# KiCad board q2v2.kicad_pcb
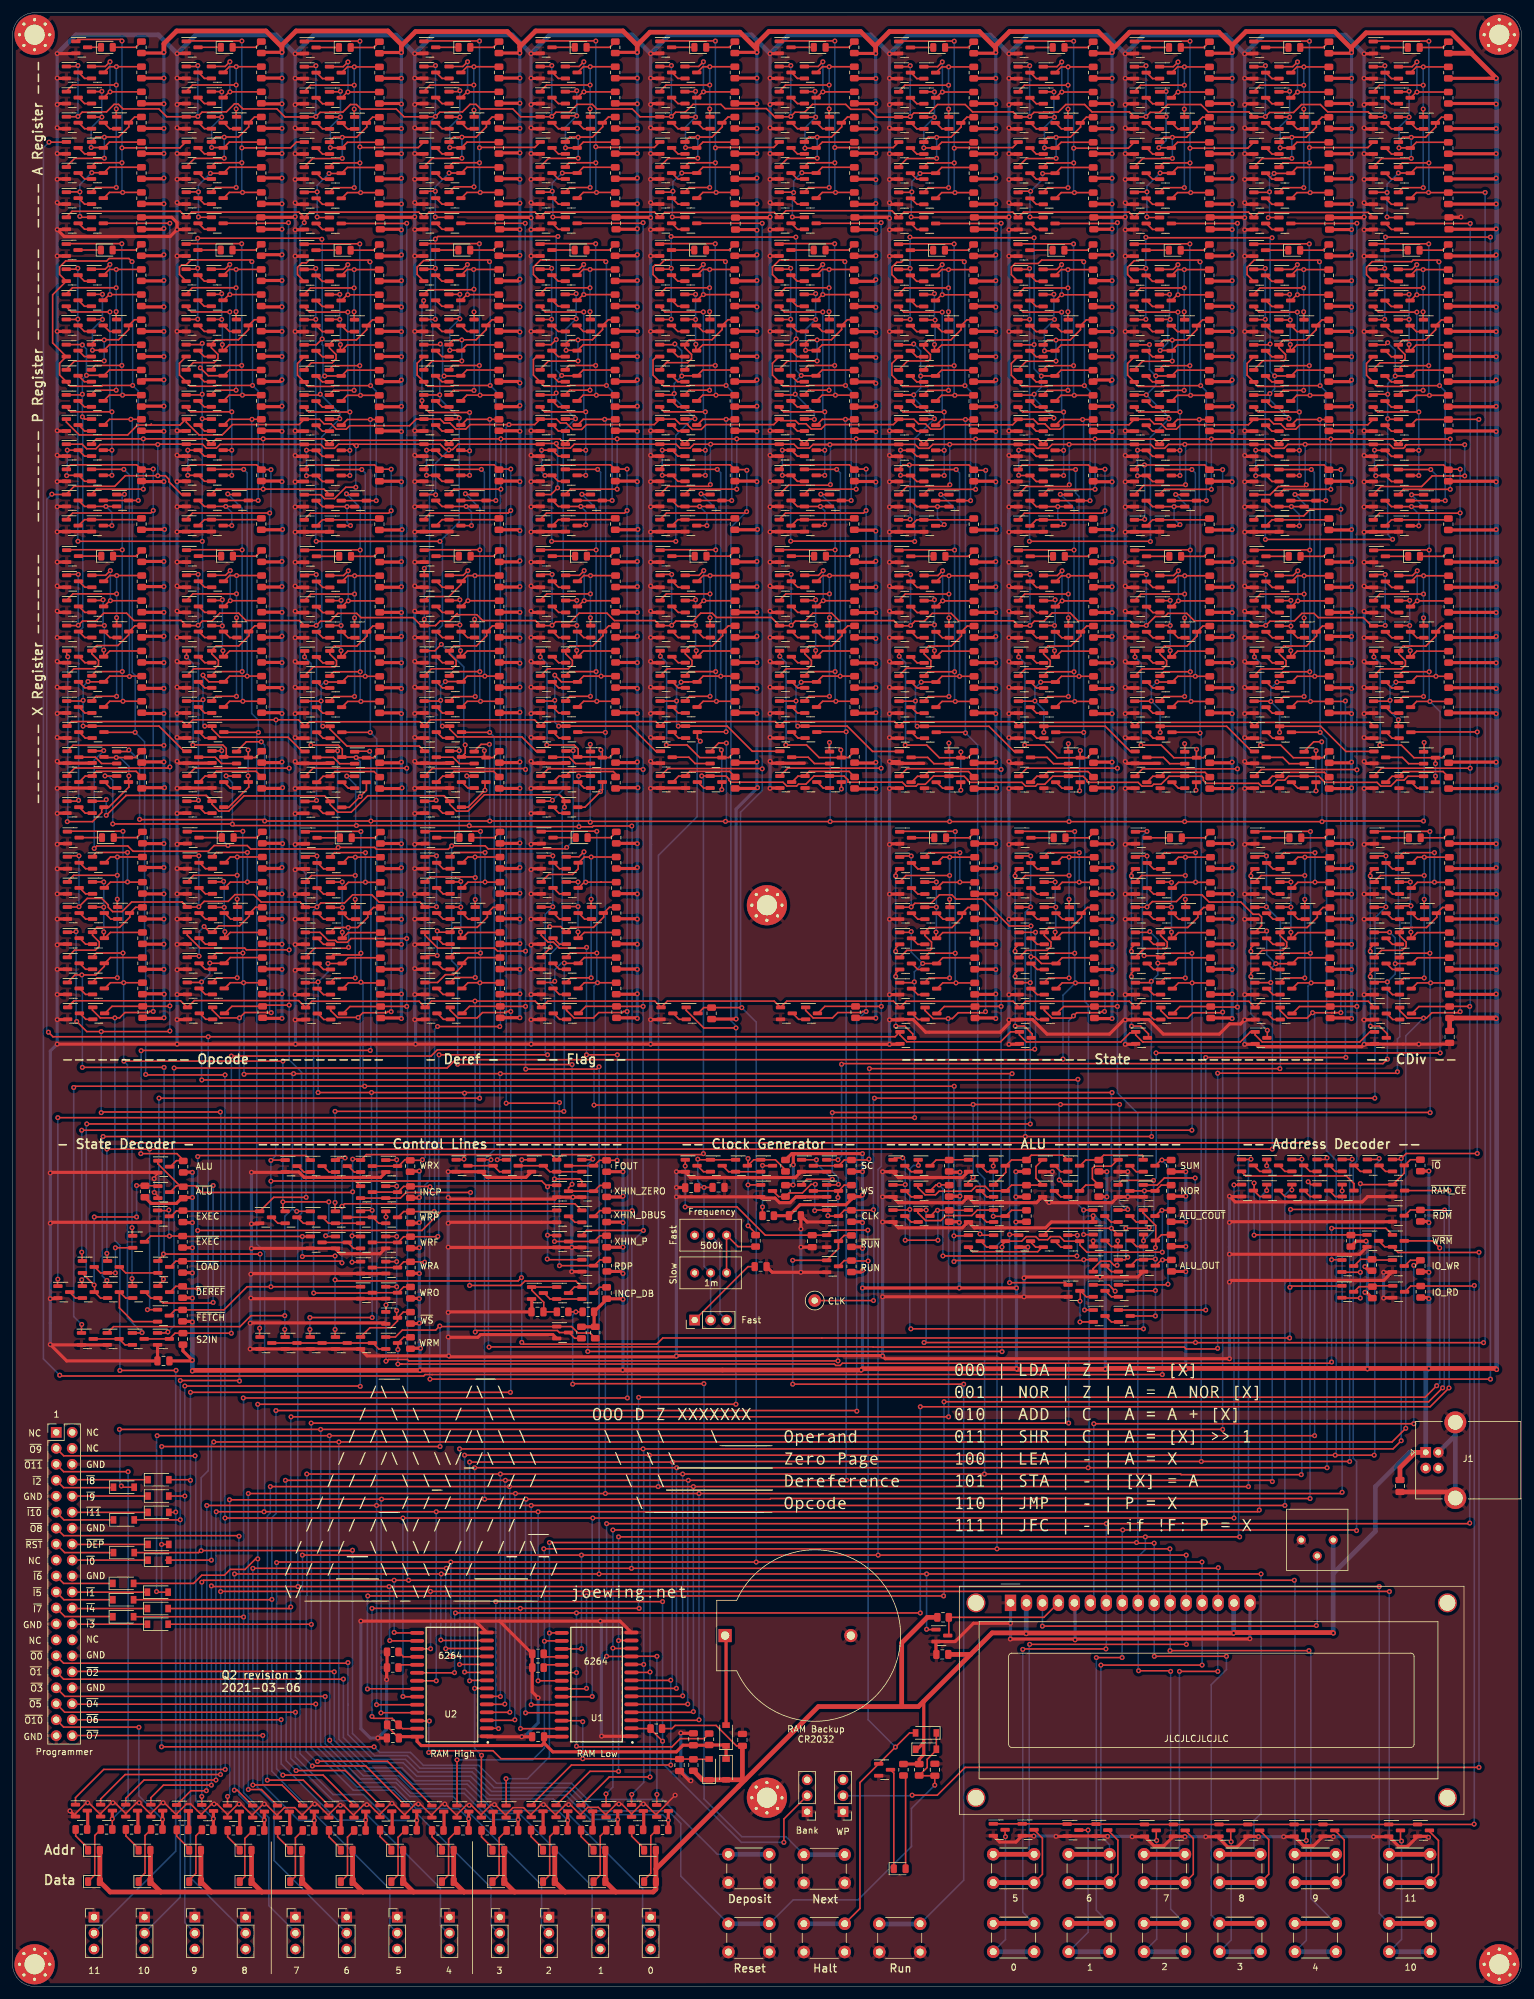
[diagram p0: board, top side]
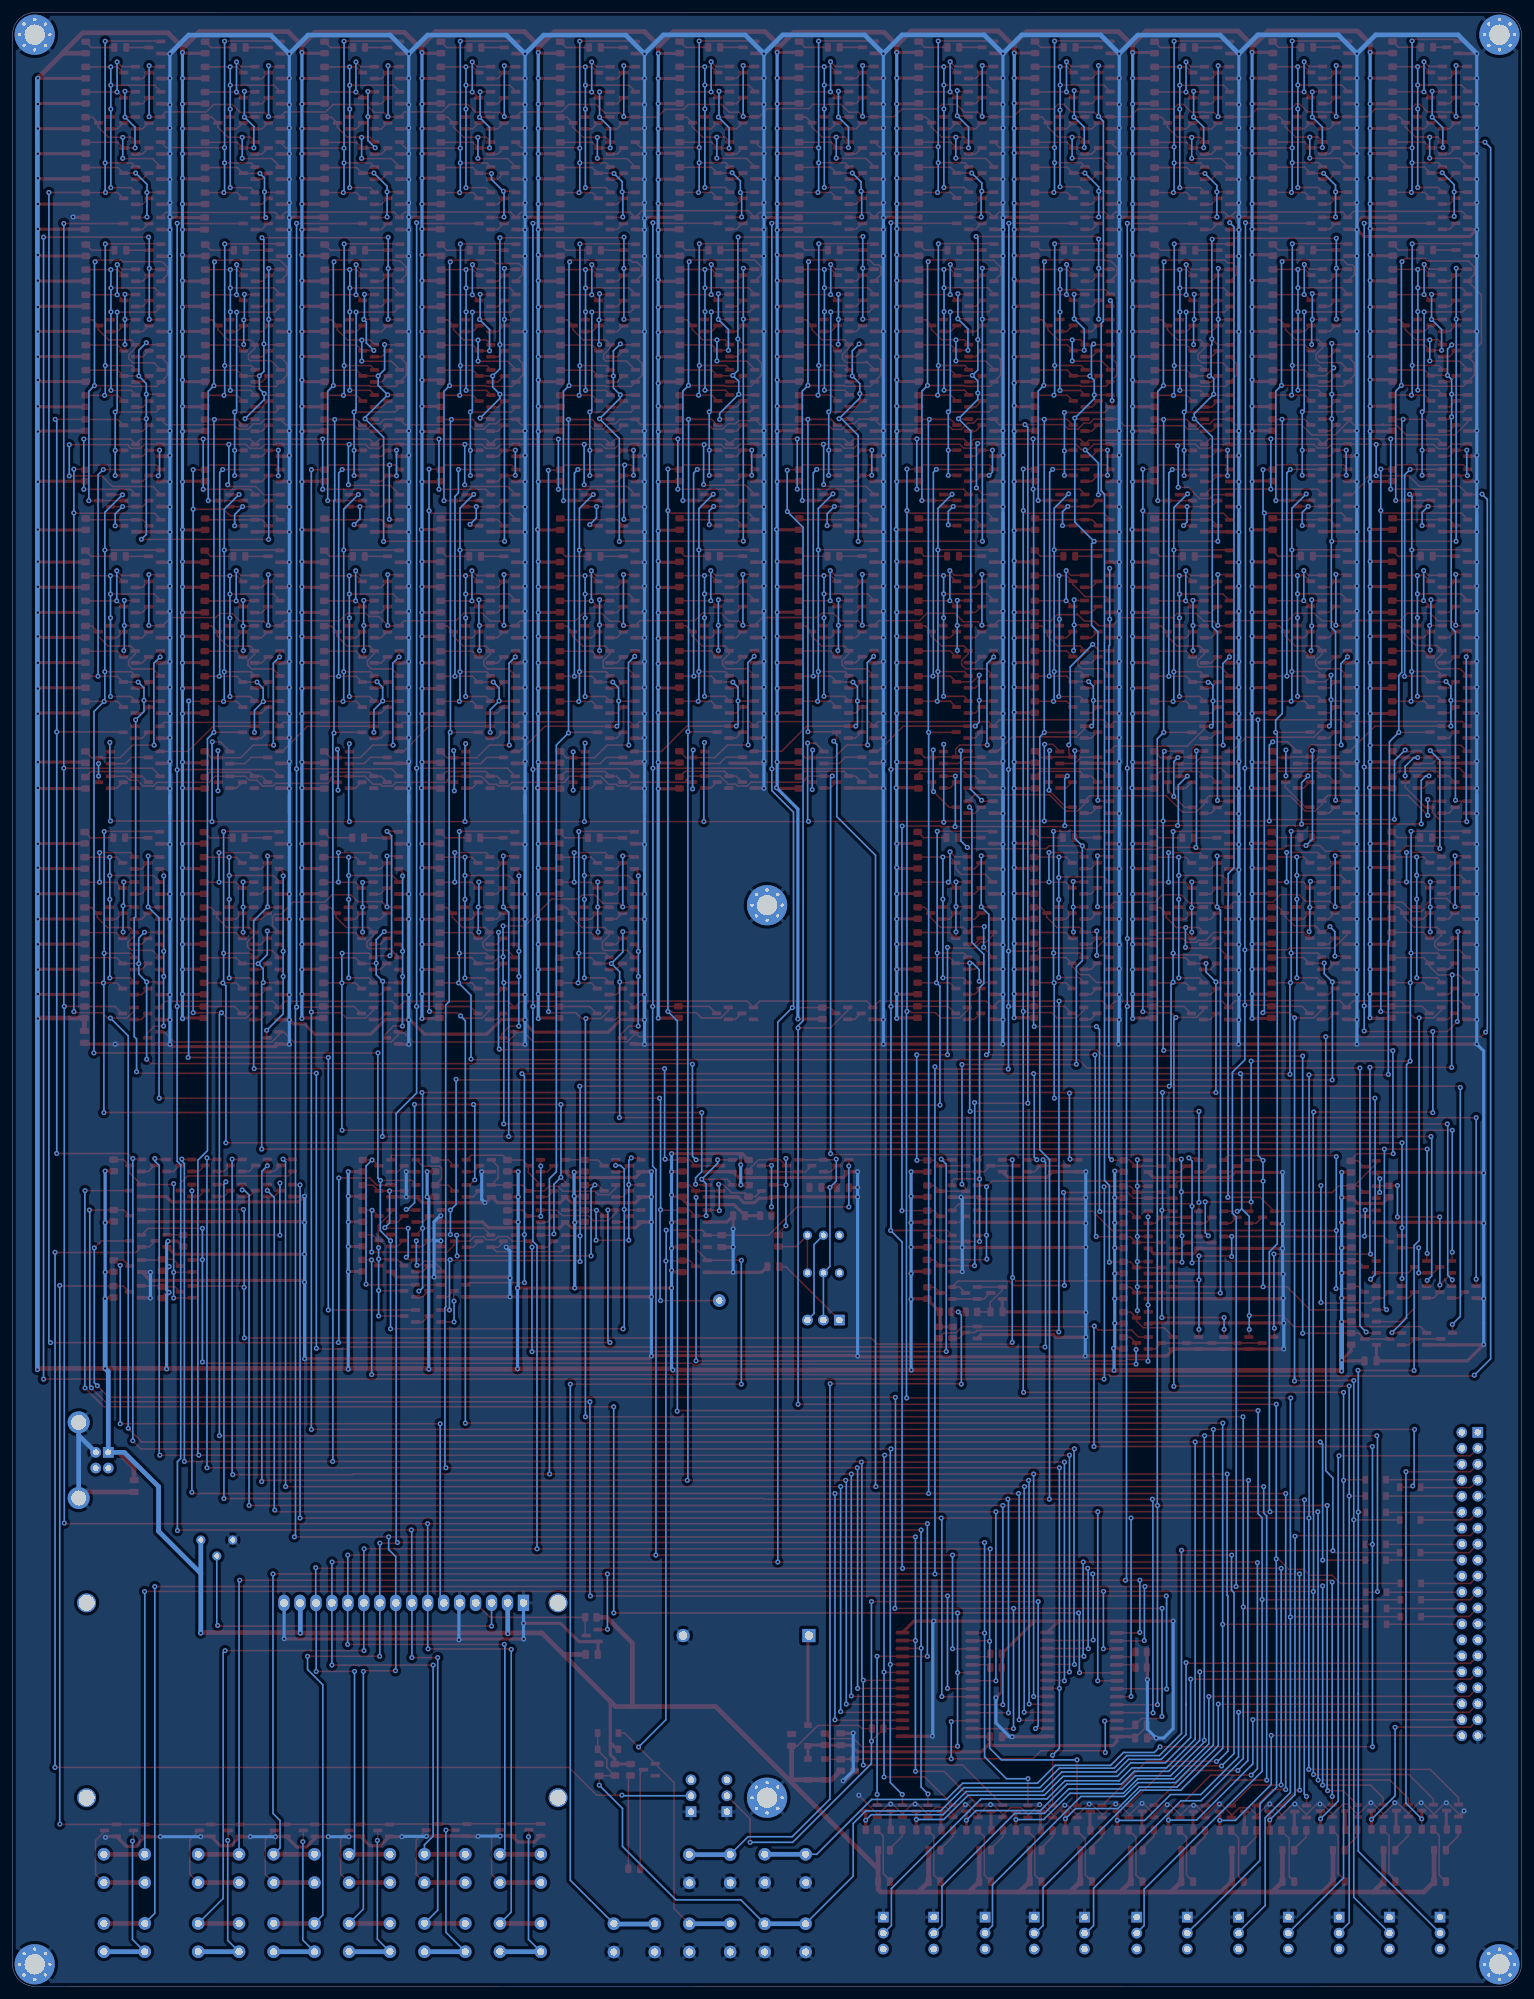
[diagram p1: board, bottom side, seen from below]

Outline 240.03 x 314.05 mm; copper layers: Top, Bottom. Coordinates in mm from the lower left corner of the outline.
Outline path: 0,310.53 0,3.5 arc(1.03,1.03) 3.5,0 236.53,0.03 arc(239,1.05) 240.03,3.53 240.03,310.55 arc(239,313.03) 236.53,314.05 3.5,314.03 arc(1.03,313) 0,310.53
Stack: Top 0.035mm / dielectric 1.51mm FR4 er 4.5 / Bottom 0.035mm

## Placement (name value [footprint] x y rotation side)
BT1  Battery  [BatteryHolder_ComfortableElectronic_CH273-2450_1x2450]  113.35 55.83 0 top
C1  1u  [C_0805_2012Metric]  24 99.53 180 top
C2  1u  [C_0805_2012Metric]  147.9 52.83 180 top
C3  1u  [C_0805_2012Metric]  220.7 79.63 270 top
C4  1u  [C_0805_2012Metric]  228.6 151.08 270 top
C5  1u  [C_0805_2012Metric]  116.1 39.23 90 top
C6  0.1u  [C_0805_2012Metric]  20.5 280.53 90 top
C7  0.1u  [C_0805_2012Metric]  83.5 107.33 0 top
C8  0.1u  [C_0805_2012Metric]  39.5 280.53 90 top
C9  0.1u  [C_0805_2012Metric]  153 280.53 90 top
C10  0.1u  [C_0805_2012Metric]  124.45 122.63 180 top
C11  1u  [C_0805_2012Metric]  119 114.53 180 top
C12  1n  [C_0805_2012Metric]  107.95 127.08 0 top
C13  Extra  [C_0805_2012Metric]  112.3 127.13 180 top
C14  0.1u  [C_0805_2012Metric]  58.5 280.53 90 top
C15  0.1u  [C_0805_2012Metric]  172 280.53 90 top
C16  0.1u  [C_0805_2012Metric]  77.5 280.53 90 top
C17  0.1u  [C_0805_2012Metric]  190.5 280.53 90 top
C18  0.1u  [C_0805_2012Metric]  83.6 39.73 0 top
C19  0.1u  [C_0805_2012Metric]  60.5 39.53 0 top
C20  1u  [C_0805_2012Metric]  108.3 39.33 90 top
C21  0.1u  [C_0805_2012Metric]  106.1 35.23 90 top
C22  0.1u  [C_0805_2012Metric]  96 280.53 90 top
C23  0.1u  [C_0805_2012Metric]  209.5 280.48 90 top
C24  0.1u  [C_0805_2012Metric]  127.2 118.58 90 top
C25  1u  [C_0805_2012Metric]  146.72 34.48 270 top
C26  0.1u  [C_0805_2012Metric]  228.5 280.53 90 top
C27  0.1u  [C_0805_2012Metric]  134 280.53 90 top
C28  0.1u  [C_0805_2012Metric]  115 280.48 90 top
D1  Blue  [LED_0805_2012Metric]  14.98 276.27 0 top
D2  Blue  [LED_0805_2012Metric]  15 308.53 0 top
D3  Blue  [LED_0805_2012Metric]  15.05 227.57 0 top
D4  Blue  [LED_0805_2012Metric]  15.16 182.79 0 top
D5  Blue  [LED_0805_2012Metric]  34.05 276.27 0 top
D6  Blue  [LED_0805_2012Metric]  34.07 308.53 0 top
D7  Blue  [LED_0805_2012Metric]  34.12 227.57 0 top
D8  Blue  [LED_0805_2012Metric]  34.23 182.79 0 top
D9  Blue  [LED_0805_2012Metric]  147.38 276.24 0 top
D10  Blue  [LED_0805_2012Metric]  147.4 308.5 0 top
D11  Blue  [LED_0805_2012Metric]  147.45 227.54 0 top
D12  Blue  [LED_0805_2012Metric]  147.56 182.76 0 top
D13  Blue  [LED_0805_2012Metric]  141.12 18.73 0 top
D14  Blue  [LED_0805_2012Metric]  52.83 276.24 0 top
D15  Blue  [LED_0805_2012Metric]  52.85 308.5 0 top
D16  Blue  [LED_0805_2012Metric]  52.9 227.54 0 top
D17  Blue  [LED_0805_2012Metric]  53.01 182.76 0 top
D18  Blue  [LED_0805_2012Metric]  166.38 276.24 0 top
D19  Blue  [LED_0805_2012Metric]  166.4 308.5 0 top
D20  Blue  [LED_0805_2012Metric]  166.45 227.54 0 top
D21  Blue  [LED_0805_2012Metric]  166.56 182.76 0 top
D22  Blue  [LED_0805_2012Metric]  71.86 276.27 0 top
D23  Blue  [LED_0805_2012Metric]  71.88 308.52 0 top
D24  Blue  [LED_0805_2012Metric]  71.92 227.56 0 top
D25  Blue  [LED_0805_2012Metric]  72.04 182.78 0 top
D26  Blue  [LED_0805_2012Metric]  184.88 276.24 0 top
D27  Blue  [LED_0805_2012Metric]  184.9 308.5 0 top
D28  Blue  [LED_0805_2012Metric]  184.95 227.54 0 top
D29  Blue  [LED_0805_2012Metric]  185.06 182.76 0 top
D30  BAT43W  [D_SOD-123]  113.5 39.93 90 top
D31  BAT43W  [D_SOD-123]  113.5 34.53 270 top
D32  BAT43W  [D_SOD-123]  110.8 34.53 90 top
D33  Blue  [LED_0805_2012Metric]  90.35 276.27 0 top
D34  Blue  [LED_0805_2012Metric]  90.38 308.52 0 top
D35  Blue  [LED_0805_2012Metric]  90.43 227.56 0 top
D36  Blue  [LED_0805_2012Metric]  90.54 182.78 0 top
D37  Blue  [LED_0805_2012Metric]  203.88 276.24 0 top
D38  Blue  [LED_0805_2012Metric]  203.9 308.5 0 top
D39  Blue  [LED_0805_2012Metric]  203.95 227.54 0 top
D40  Blue  [LED_0805_2012Metric]  204.06 182.76 0 top
D41  BAT43W  [D_SOD-123]  145.3 40.33 180 top
D42  BAT43W  [D_SOD-123]  145.3 37.73 0 top
D43  White  [LED_0805_2012Metric]  61.2 21.67 0 top
D44  White  [LED_0805_2012Metric]  61.2 16.67 0 top
D45  White  [LED_0805_2012Metric]  12.95 21.67 0 top
D46  White  [LED_0805_2012Metric]  12.95 16.67 0 top
D47  White  [LED_0805_2012Metric]  69.24 21.67 0 top
D48  White  [LED_0805_2012Metric]  69.24 16.67 0 top
D49  White  [LED_0805_2012Metric]  20.99 21.67 0 top
D50  White  [LED_0805_2012Metric]  20.99 16.67 0 top
D51  White  [LED_0805_2012Metric]  77.28 21.67 0 top
D52  White  [LED_0805_2012Metric]  77.28 16.67 0 top
D53  White  [LED_0805_2012Metric]  29.03 21.67 0 top
D54  White  [LED_0805_2012Metric]  29.03 16.67 0 top
D55  White  [LED_0805_2012Metric]  85.32 21.67 0 top
D56  White  [LED_0805_2012Metric]  85.32 16.67 0 top
D57  White  [LED_0805_2012Metric]  37.07 21.67 0 top
D58  White  [LED_0805_2012Metric]  37.07 16.67 0 top
D59  White  [LED_0805_2012Metric]  93.36 21.67 0 top
D60  White  [LED_0805_2012Metric]  93.36 16.67 0 top
D61  White  [LED_0805_2012Metric]  45.11 21.67 0 top
D62  White  [LED_0805_2012Metric]  45.11 16.67 0 top
D63  White  [LED_0805_2012Metric]  101.4 21.67 0 top
D64  White  [LED_0805_2012Metric]  101.4 16.67 0 top
D65  White  [LED_0805_2012Metric]  53.15 21.67 0 top
D66  White  [LED_0805_2012Metric]  53.15 16.67 0 top
D67  Blue  [LED_0805_2012Metric]  222.88 276.24 0 top
D68  Blue  [LED_0805_2012Metric]  222.9 308.5 0 top
D69  BAT43W  [D_SOD-123]  23.2 75.43 0 top
D70  BAT43W  [D_SOD-123]  17.7 74.23 0 top
D71  BAT43W  [D_SOD-123]  23.2 78.03 0 top
D72  BAT43W  [D_SOD-123]  23.2 80.63 0 top
D73  BAT43W  [D_SOD-123]  17.7 79.43 0 top
D74  BAT43W  [D_SOD-123]  23.1 57.63 0 top
D75  BAT43W  [D_SOD-123]  23.1 60.13 0 top
D76  BAT43W  [D_SOD-123]  17.6 61.53 0 top
D77  BAT43W  [D_SOD-123]  17.7 69.03 0 top
D78  BAT43W  [D_SOD-123]  23.2 70.33 0 top
D79  BAT43W  [D_SOD-123]  23.2 67.83 0 top
D80  BAT43W  [D_SOD-123]  23.1 62.73 0 top
D81  BAT43W  [D_SOD-123]  17.6 58.83 0 top
D82  BAT43W  [D_SOD-123]  17.6 64.13 0 top
D83  Blue  [LED_0805_2012Metric]  222.95 227.54 0 top
D84  Blue  [LED_0805_2012Metric]  223.06 182.76 0 top
D85  Blue  [LED_0805_2012Metric]  109.4 308.52 0 top
D86  Blue  [LED_0805_2012Metric]  109.45 227.56 0 top
D87  Blue  [LED_0805_2012Metric]  128.38 276.27 0 top
D88  Blue  [LED_0805_2012Metric]  128.4 308.52 0 top
D89  Blue  [LED_0805_2012Metric]  128.45 227.56 0 top
D90  Blue  [LED_0805_2012Metric]  109.38 276.27 0 top
DS1  -  [WC1602A]  158.75 61.03 0 top
G***  LOGO  [q2-logo]  120.55 80.18 0 top
H1  MountingHole_Pad  [MountingHole_3.2mm_M3_Pad_Via]  3.5 310.53 0 top
H2  MountingHole_Pad  [MountingHole_3.2mm_M3_Pad_Via]  3.5 3.53 0 top
H3  MountingHole_Pad  [MountingHole_3.2mm_M3_Pad_Via]  236.5 310.53 0 top
H4  MountingHole_Pad  [MountingHole_3.2mm_M3_Pad_Via]  236.5 3.53 0 top
H5  MountingHole_Pad  [MountingHole_3.2mm_M3_Pad_Via]  120 30.03 0 top
H6  MountingHole_Pad  [MountingHole_3.2mm_M3_Pad_Via]  120 172.03 0 top
J1  USB_B  [USB_B_OST_USB-B1HSxx_Horizontal]  224.8 84.98 0 top
J2  Programmer  [PinHeader_2x20_P2.54mm_Vertical]  6.94 88.16 0 top
Q1  2N7002b  [SOT-23]  13.7 154.83 0 top
Q2  2N7002b  [SOT-23]  9.7 154.83 0 top
Q3  2N7002a  [SOT-23]  13.5 248.43 0 top
Q4  2N7002a  [SOT-23]  9.5 248.43 0 top
Q5  2N7002a  [SOT-23]  13.5 244.43 0 top
Q6  2N7002a  [SOT-23]  13.5 240.43 0 top
Q7  2N7002a  [SOT-23]  13.5 236.43 0 top
Q8  2N7002a  [SOT-23]  17.5 236.43 0 top
Q9  2N7002b  [SOT-23]  9.5 244.43 0 top
Q10  2N7002b  [SOT-23]  9.5 240.43 0 top
Q11  2N7002b  [SOT-23]  9.5 236.43 0 top
Q12  2N7002a  [SOT-23]  13.5 232.43 0 top
Q13  2N7002b  [SOT-23]  9.5 232.43 0 top
Q14  2N7002a  [SOT-23]  13.48 252.27 0 top
Q15  2N7002a  [SOT-23]  13.48 268.27 0 top
Q16  2N7002a  [SOT-23]  9.48 252.27 0 top
Q17  2N7002a  [SOT-23]  9.48 268.27 0 top
Q18  2N7002b  [SOT-23]  9.48 276.27 0 top
Q19  2N7002a  [SOT-23]  13.48 256.27 0 top
Q20  2N7002a  [SOT-23]  13.48 272.27 0 top
Q21  2N7002a  [SOT-23]  9.48 256.27 0 top
Q22  2N7002a  [SOT-23]  9.48 272.27 0 top
Q23  2N7002a  [SOT-23]  17.48 264.27 0 top
Q24  2N7002a  [SOT-23]  13.48 264.27 0 top
Q25  2N7002a  [SOT-23]  9.48 264.27 0 top
Q26  2N7002a  [SOT-23]  13.48 260.27 0 top
Q27  2N7002a  [SOT-23]  9.48 260.27 0 top
Q28  2N7002a  [SOT-23]  13.5 280.53 0 top
Q29  2N7002a  [SOT-23]  9.5 280.53 0 top
Q30  2N7002a  [SOT-23]  13.5 284.53 0 top
Q31  2N7002a  [SOT-23]  13.5 300.53 0 top
Q32  2N7002a  [SOT-23]  9.5 284.53 0 top
Q33  2N7002a  [SOT-23]  9.5 300.53 0 top
Q34  2N7002b  [SOT-23]  11 308.53 0 top
Q35  2N7002a  [SOT-23]  13.5 288.53 0 top
Q36  2N7002a  [SOT-23]  13.5 304.53 0 top
Q37  2N7002a  [SOT-23]  9.5 288.53 0 top
Q38  2N7002a  [SOT-23]  9.5 304.53 0 top
Q39  2N7002a  [SOT-23]  17.5 296.53 0 top
Q40  2N7002a  [SOT-23]  13.5 296.53 0 top
Q41  2N7002a  [SOT-23]  9.5 296.53 0 top
Q42  2N7002a  [SOT-23]  13.5 292.53 0 top
Q43  2N7002a  [SOT-23]  9.5 292.53 0 top
Q44  2N7002a  [SOT-23]  17.5 191.63 0 top
Q45  2N7002a  [SOT-23]  13.6 199.58 0 top
Q46  2N7002a  [SOT-23]  13.6 187.63 0 top
Q47  2N7002a  [SOT-23]  17.5 195.53 0 top
Q48  2N7002a  [SOT-23]  13.6 195.63 0 top
Q49  2N7002a  [SOT-23]  13.6 191.63 0 top
Q50  2N7002a  [SOT-23]  9.6 199.58 0 top
Q51  2N7002a  [SOT-23]  9.6 187.63 0 top
Q52  2N7002a  [SOT-23]  9.6 195.58 0 top
Q53  2N7002a  [SOT-23]  9.6 191.63 0 top
Q54  2N7002a  [SOT-23]  13.55 203.57 0 top
Q55  2N7002a  [SOT-23]  13.55 219.57 0 top
Q56  2N7002a  [SOT-23]  9.55 203.57 0 top
Q57  2N7002a  [SOT-23]  9.55 219.57 0 top
Q58  2N7002b  [SOT-23]  9.55 227.57 0 top
Q59  2N7002a  [SOT-23]  13.55 207.57 0 top
Q60  2N7002a  [SOT-23]  13.55 223.57 0 top
Q61  2N7002a  [SOT-23]  9.55 207.57 0 top
Q62  2N7002a  [SOT-23]  9.55 223.57 0 top
Q63  2N7002a  [SOT-23]  17.55 215.57 0 top
Q64  2N7002a  [SOT-23]  13.55 215.57 0 top
Q65  2N7002a  [SOT-23]  9.55 215.57 0 top
Q66  2N7002a  [SOT-23]  13.55 211.57 0 top
Q67  2N7002a  [SOT-23]  9.55 211.57 0 top
Q68  2N7002a  [SOT-23]  13.66 158.79 0 top
Q69  2N7002a  [SOT-23]  13.66 174.79 0 top
Q70  2N7002a  [SOT-23]  9.66 158.79 0 top
Q71  2N7002a  [SOT-23]  9.66 174.79 0 top
Q72  2N7002b  [SOT-23]  9.66 182.79 0 top
Q73  2N7002a  [SOT-23]  13.66 162.79 0 top
Q74  2N7002a  [SOT-23]  13.66 178.79 0 top
Q75  2N7002a  [SOT-23]  9.66 162.79 0 top
Q76  2N7002a  [SOT-23]  9.66 178.79 0 top
Q77  2N7002a  [SOT-23]  17.66 170.79 0 top
Q78  2N7002a  [SOT-23]  13.66 170.79 0 top
Q79  2N7002a  [SOT-23]  9.66 170.79 0 top
Q80  2N7002a  [SOT-23]  13.66 166.79 0 top
Q81  2N7002a  [SOT-23]  9.66 166.79 0 top
Q82  2N7002a  [SOT-23]  24.05 110.48 0 top
Q83  2N7002a  [SOT-23]  24.05 114.48 0 top
Q84  2N7002a  [SOT-23]  24 106.73 0 top
Q85  2N7002a  [SOT-23]  20.05 110.48 0 top
Q86  2N7002a  [SOT-23]  16.05 114.48 0 top
Q87  2N7002a  [SOT-23]  20.05 118.48 0 top
Q88  2N7002a  [SOT-23]  12.05 114.48 0 top
Q89  2N7002a  [SOT-23]  16.05 110.48 0 top
Q90  2N7002a  [SOT-23]  24.05 126.38 0 top
Q91  2N7002a  [SOT-23]  12.05 110.48 0 top
Q92  2N7002a  [SOT-23]  8.15 110.48 0 top
Q93  2N7002a  [SOT-23]  20 103.03 0 top
Q94  2N7002a  [SOT-23]  24 103.03 0 top
Q95  2N7002a  [SOT-23]  11.9 103.03 0 top
Q96  2N7002a  [SOT-23]  16 103.03 0 top
Q97  2N7002a  [SOT-23]  91.5 122.53 0 top
Q98  2N7002a  [SOT-23]  24.05 130.43 0 top
Q99  2N7002a  [SOT-23]  87.5 126.53 0 top
Q100  2N7002a  [SOT-23]  91.5 126.53 0 top
Q101  2N7002a  [SOT-23]  91.5 114.68 0 top
Q102  2N7002a  [SOT-23]  87.5 118.53 0 top
Q103  2N7002a  [SOT-23]  91.5 118.53 0 top
Q104  2N7002a  [SOT-23]  56.3 110.38 0 top
Q105  2N7002a  [SOT-23]  60.3 110.38 0 top
Q106  2N7002a  [SOT-23]  87.5 122.53 0 top
Q107  2N7002a  [SOT-23]  56.3 118.38 0 top
Q108  2N7002a  [SOT-23]  60.3 118.38 0 top
Q109  2N7002a  [SOT-23]  56.3 126.38 0 top
Q110  2N7002a  [SOT-23]  60.3 126.38 0 top
Q111  2N7002a  [SOT-23]  60.3 106.38 0 top
Q112  2N7002a  [SOT-23]  56.3 114.38 0 top
Q113  2N7002a  [SOT-23]  60.3 114.38 0 top
Q114  2N7002a  [SOT-23]  48.3 118.38 0 top
Q115  2N7002a  [SOT-23]  52.3 118.38 0 top
Q116  2N7002a  [SOT-23]  87.5 110.33 0 top
Q117  2N7002a  [SOT-23]  91.5 110.33 0 top
Q118  2N7002a  [SOT-23]  83.5 110.33 0 top
Q119  2N7002a  [SOT-23]  56.3 130.53 0 top
Q120  2N7002a  [SOT-23]  60.3 130.53 0 top
Q121  2N7002a  [SOT-23]  60.3 122.38 0 top
Q122  2N7002a  [SOT-23]  52.3 130.53 0 top
Q123  2N7002a  [SOT-23]  24 122.53 0 top
Q124  2N7002a  [SOT-23]  91.5 130.58 0 top
Q125  2N7002a  [SOT-23]  87.5 130.58 0 top
Q126  2N7002a  [SOT-23]  56.3 122.38 0 top
Q127  2N7002a  [SOT-23]  52.3 122.38 0 top
Q128  2N7002a  [SOT-23]  48.3 130.53 0 top
Q129  2N7002a  [SOT-23]  44.3 130.53 0 top
Q130  2N7002a  [SOT-23]  79.5 130.58 0 top
Q131  2N7002a  [SOT-23]  83.5 130.58 0 top
Q132  2N7002a  [SOT-23]  48.3 122.38 0 top
Q133  2N7002a  [SOT-23]  44.3 122.38 0 top
Q134  2N7002a  [SOT-23]  60.3 102.38 0 top
Q135  2N7002a  [SOT-23]  71.5 130.58 0 top
Q136  2N7002a  [SOT-23]  75.5 130.58 0 top
Q137  2N7002a  [SOT-23]  40.25 122.38 0 top
Q138  2N7002a  [SOT-23]  40.3 102.38 0 top
Q139  2N7002a  [SOT-23]  44.3 102.38 0 top
Q140  2N7002a  [SOT-23]  48.3 102.38 0 top
Q141  2N7002a  [SOT-23]  52.3 102.38 0 top
Q142  2N7002a  [SOT-23]  56.3 102.38 0 top
Q143  2N7002b  [SOT-23]  32.77 154.83 0 top
Q144  2N7002b  [SOT-23]  28.77 154.83 0 top
Q145  2N7002a  [SOT-23]  32.57 248.43 0 top
Q146  2N7002a  [SOT-23]  28.57 248.43 0 top
Q147  2N7002a  [SOT-23]  32.57 244.43 0 top
Q148  2N7002a  [SOT-23]  32.57 240.43 0 top
Q149  2N7002a  [SOT-23]  32.57 236.43 0 top
Q150  2N7002a  [SOT-23]  36.57 236.43 0 top
Q151  2N7002b  [SOT-23]  28.57 244.43 0 top
Q152  2N7002b  [SOT-23]  28.57 240.43 0 top
Q153  2N7002b  [SOT-23]  28.57 236.43 0 top
Q154  2N7002a  [SOT-23]  32.57 232.43 0 top
Q155  2N7002b  [SOT-23]  28.57 232.43 0 top
Q156  2N7002a  [SOT-23]  32.55 252.27 0 top
Q157  2N7002a  [SOT-23]  32.55 268.27 0 top
Q158  2N7002a  [SOT-23]  28.55 252.27 0 top
Q159  2N7002a  [SOT-23]  28.55 268.27 0 top
Q160  2N7002b  [SOT-23]  28.55 276.27 0 top
Q161  2N7002a  [SOT-23]  32.55 256.27 0 top
Q162  2N7002a  [SOT-23]  32.55 272.27 0 top
Q163  2N7002a  [SOT-23]  28.55 256.27 0 top
Q164  2N7002a  [SOT-23]  28.55 272.27 0 top
Q165  2N7002a  [SOT-23]  36.55 264.27 0 top
Q166  2N7002a  [SOT-23]  32.55 264.27 0 top
Q167  2N7002a  [SOT-23]  28.55 264.27 0 top
Q168  2N7002a  [SOT-23]  32.55 260.27 0 top
Q169  2N7002a  [SOT-23]  28.55 260.27 0 top
Q170  2N7002a  [SOT-23]  32.57 280.53 0 top
Q171  2N7002a  [SOT-23]  28.57 280.53 0 top
Q172  2N7002a  [SOT-23]  32.57 284.53 0 top
Q173  2N7002a  [SOT-23]  32.57 300.53 0 top
Q174  2N7002a  [SOT-23]  28.57 284.53 0 top
Q175  2N7002a  [SOT-23]  28.57 300.53 0 top
Q176  2N7002b  [SOT-23]  28.57 308.53 0 top
Q177  2N7002a  [SOT-23]  32.57 288.53 0 top
Q178  2N7002a  [SOT-23]  32.57 304.53 0 top
Q179  2N7002a  [SOT-23]  28.57 288.53 0 top
Q180  2N7002a  [SOT-23]  28.57 304.53 0 top
Q181  2N7002a  [SOT-23]  36.57 296.53 0 top
Q182  2N7002a  [SOT-23]  32.57 296.53 0 top
Q183  2N7002a  [SOT-23]  28.57 296.53 0 top
Q184  2N7002a  [SOT-23]  32.57 292.53 0 top
Q185  2N7002a  [SOT-23]  28.57 292.53 0 top
Q186  2N7002a  [SOT-23]  36.57 191.63 0 top
Q187  2N7002a  [SOT-23]  32.67 199.58 0 top
Q188  2N7002a  [SOT-23]  32.67 187.63 0 top
Q189  2N7002a  [SOT-23]  36.57 195.53 0 top
Q190  2N7002a  [SOT-23]  32.67 195.63 0 top
Q191  2N7002a  [SOT-23]  32.67 191.63 0 top
Q192  2N7002a  [SOT-23]  28.67 199.58 0 top
Q193  2N7002a  [SOT-23]  28.67 187.63 0 top
Q194  2N7002a  [SOT-23]  28.67 195.58 0 top
Q195  2N7002a  [SOT-23]  28.67 191.63 0 top
Q196  2N7002a  [SOT-23]  32.62 203.57 0 top
Q197  2N7002a  [SOT-23]  32.62 219.57 0 top
Q198  2N7002a  [SOT-23]  28.62 203.57 0 top
Q199  2N7002a  [SOT-23]  28.62 219.57 0 top
Q200  2N7002b  [SOT-23]  28.62 227.57 0 top
Q201  2N7002a  [SOT-23]  32.62 207.57 0 top
Q202  2N7002a  [SOT-23]  32.62 223.57 0 top
Q203  2N7002a  [SOT-23]  28.62 207.57 0 top
Q204  2N7002a  [SOT-23]  28.62 223.57 0 top
Q205  2N7002a  [SOT-23]  36.62 215.57 0 top
Q206  2N7002a  [SOT-23]  32.62 215.57 0 top
Q207  2N7002a  [SOT-23]  28.62 215.57 0 top
Q208  2N7002a  [SOT-23]  32.62 211.57 0 top
Q209  2N7002a  [SOT-23]  28.62 211.57 0 top
Q210  2N7002a  [SOT-23]  32.73 158.79 0 top
Q211  2N7002a  [SOT-23]  32.73 174.79 0 top
Q212  2N7002a  [SOT-23]  28.73 158.79 0 top
Q213  2N7002a  [SOT-23]  28.73 174.79 0 top
Q214  2N7002b  [SOT-23]  28.73 182.79 0 top
Q215  2N7002a  [SOT-23]  32.73 162.79 0 top
Q216  2N7002a  [SOT-23]  32.73 178.79 0 top
Q217  2N7002a  [SOT-23]  28.73 162.79 0 top
Q218  2N7002a  [SOT-23]  28.73 178.79 0 top
Q219  2N7002a  [SOT-23]  36.73 170.79 0 top
Q220  2N7002a  [SOT-23]  32.73 170.79 0 top
Q221  2N7002a  [SOT-23]  28.73 170.79 0 top
Q222  2N7002a  [SOT-23]  32.73 166.79 0 top
Q223  2N7002a  [SOT-23]  28.73 166.79 0 top
Q224  2N7002b  [SOT-23]  146.1 154.8 0 top
Q225  2N7002b  [SOT-23]  142.1 154.8 0 top
Q226  2N7002b  [SOT-23]  142.1 150.93 0 top
Q227  2N7002a  [SOT-23]  145.9 248.4 0 top
Q228  2N7002a  [SOT-23]  141.9 248.4 0 top
Q229  2N7002a  [SOT-23]  145.9 244.4 0 top
Q230  2N7002a  [SOT-23]  145.9 240.4 0 top
Q231  2N7002a  [SOT-23]  145.9 236.4 0 top
Q232  2N7002a  [SOT-23]  149.9 236.4 0 top
Q233  2N7002b  [SOT-23]  141.9 244.4 0 top
Q234  2N7002b  [SOT-23]  141.9 240.4 0 top
Q235  2N7002b  [SOT-23]  141.9 236.4 0 top
Q236  2N7002a  [SOT-23]  145.9 232.4 0 top
Q237  2N7002b  [SOT-23]  141.9 232.4 0 top
Q238  2N7002a  [SOT-23]  145.88 252.24 0 top
Q239  2N7002a  [SOT-23]  145.88 268.24 0 top
Q240  2N7002a  [SOT-23]  141.88 252.24 0 top
Q241  2N7002a  [SOT-23]  141.88 268.24 0 top
Q242  2N7002b  [SOT-23]  141.88 276.24 0 top
Q243  2N7002a  [SOT-23]  145.88 256.24 0 top
Q244  2N7002a  [SOT-23]  145.88 272.24 0 top
Q245  2N7002a  [SOT-23]  141.88 256.24 0 top
Q246  2N7002a  [SOT-23]  141.88 272.24 0 top
Q247  2N7002a  [SOT-23]  149.88 264.24 0 top
Q248  2N7002a  [SOT-23]  145.88 264.24 0 top
Q249  2N7002a  [SOT-23]  141.88 264.24 0 top
Q250  2N7002a  [SOT-23]  145.88 260.24 0 top
Q251  2N7002a  [SOT-23]  141.88 260.24 0 top
Q252  2N7002a  [SOT-23]  145.9 280.5 0 top
Q253  2N7002a  [SOT-23]  141.9 280.5 0 top
Q254  2N7002a  [SOT-23]  145.9 284.5 0 top
Q255  2N7002a  [SOT-23]  145.9 300.5 0 top
Q256  2N7002a  [SOT-23]  141.9 284.5 0 top
Q257  2N7002a  [SOT-23]  141.9 300.5 0 top
Q258  2N7002b  [SOT-23]  141.9 308.5 0 top
Q259  2N7002a  [SOT-23]  145.9 288.5 0 top
Q260  2N7002a  [SOT-23]  145.9 304.5 0 top
Q261  2N7002a  [SOT-23]  141.9 288.5 0 top
Q262  2N7002a  [SOT-23]  141.9 304.5 0 top
Q263  2N7002a  [SOT-23]  149.9 296.5 0 top
Q264  2N7002a  [SOT-23]  145.9 296.5 0 top
Q265  2N7002a  [SOT-23]  141.9 296.5 0 top
Q266  2N7002a  [SOT-23]  145.9 292.5 0 top
Q267  2N7002a  [SOT-23]  141.9 292.5 0 top
Q268  2N7002a  [SOT-23]  149.9 191.6 0 top
Q269  2N7002a  [SOT-23]  146 199.55 0 top
Q270  2N7002a  [SOT-23]  149.9 195.5 0 top
Q271  2N7002a  [SOT-23]  142 191.6 0 top
Q272  2N7002a  [SOT-23]  146 191.6 0 top
Q273  2N7002a  [SOT-23]  142 199.55 0 top
Q274  2N7002a  [SOT-23]  142 195.55 0 top
Q275  2N7002a  [SOT-23]  145.95 203.54 0 top
Q276  2N7002a  [SOT-23]  145.95 219.54 0 top
Q277  2N7002a  [SOT-23]  141.95 203.54 0 top